# Altium PCB 2.PcbDoc (part 13 of 22) (continued)
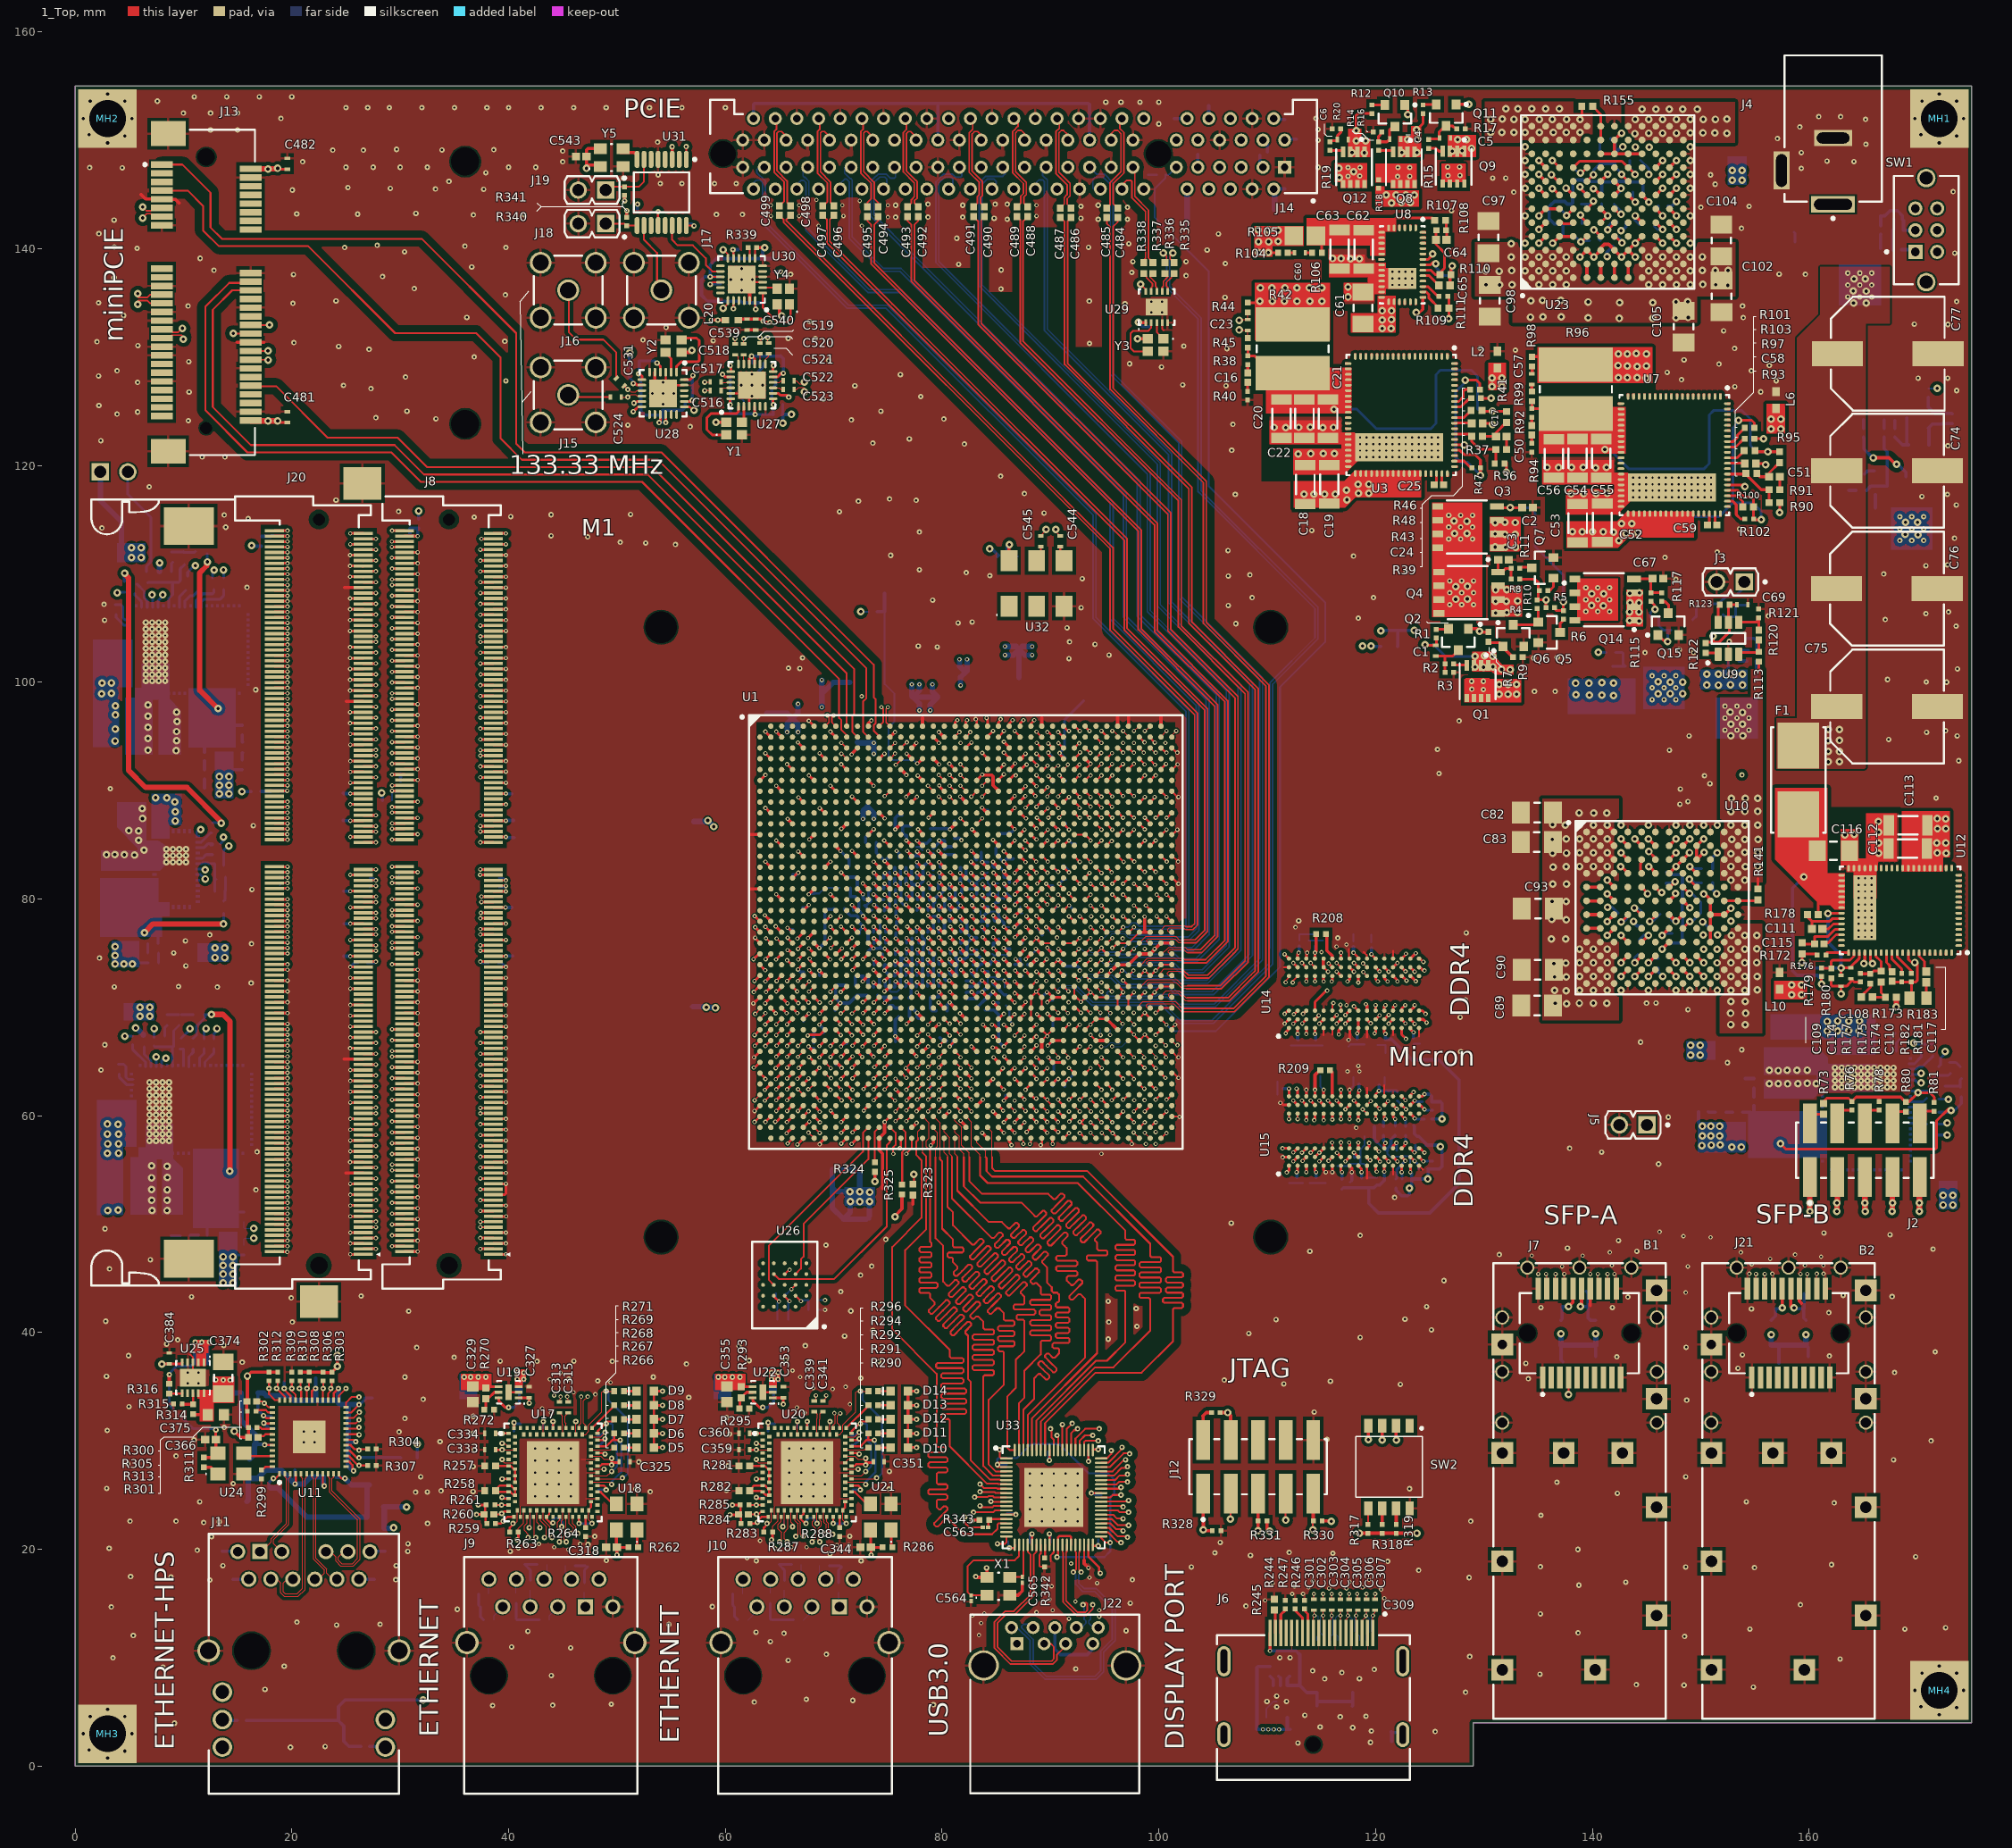
[diagram p0: 1_Top view]
## Nets (pads, with @x,y where several pads share a name; then routed paths per layer and width w, separated by ;. In a path a pad name is that pad's centre, name@x,y a point inside that pad or via, vN(x,y) a via of type N, cw(c..) or ccw(c..) an arc to the next point about the centre after c; other vN are vias at no path point) (continued)
  12_int11_(sign) w0.15: v1(27.751,102.73) 28.371,103.35 29.6,103.35 29.975,102.975 32.1,102.975 32.35,102.725 v1(37.398,102.725)
DDR4_SODIMM_DQ50: J8.228 J20.228 U1.Y3 | length 85
  1_Top w0.25: J20.228@18.4,105.975 v1(19.602,105.975) ; v1(29.25,105.975) J8.228@30.4,105.975 ; v1(64.65,77.475) 64.658,77.475 U1.Y3@65.194,76.939
  7_int6_(sign) w0.15: v1(29.25,105.975) 32.35,105.975 35.1,108.725 37.75,108.725 38.25,109.225 39.9,109.225 40.75,110.075 44.7,110.075 44.85,110.075 45,110.225 45,111.144 45.15,111.294 45.45,111.294 45.6,111.144 45.6,110.075 45.6,109.016 45.75,108.866 46.05,108.866 46.2,109.016 46.2,110.075 46.2,111.144 46.35,111.294 46.65,111.294 46.8,111.144 46.8,110.225 46.95,110.075 48.475,110.075 56.85,110.075 62.25,104.675 62.25,91.05 62.825,90.475 62.825,83.425 63.638,82.612 63.638,79.513 64.65,78.5 v1(64.65,77.475)
  10_int9_(sign) w0.15: v1(19.602,105.975) 21.375,105.975 21.625,106.225 25.975,106.225 26.4,106.65 28.025,106.65 28.7,105.975 v1(29.25,105.975)
DDR4_SODIMM_DQ51: J8.229 J20.229 U1.Y1 | length 82.5
  1_Top w0.25: J20.229@26.6,106.225 26.625,106.2 26.655,106.23 v1(27.751,106.23) ; v1(37.398,106.225) J8.229@38.6,106.225 ; v1(62.75,77.4) 62.75,77.383 U1.Y1@63.194,76.939
  7_int6_(sign) w0.15: v1(37.398,106.225) 40.625,106.225 40.775,106.225 40.925,106.375 40.925,106.493 41.075,106.643 41.375,106.643 41.525,106.493 41.525,106.225 41.525,105.982 41.675,105.832 41.975,105.832 42.125,105.982 42.125,106.225 42.125,106.493 42.275,106.643 42.575,106.643 42.725,106.493 42.725,106.225 42.725,105.982 42.875,105.832 43.175,105.832 43.325,105.982 43.325,106.225 43.325,106.493 43.475,106.643 43.775,106.643 43.925,106.493 43.925,106.225 43.925,105.982 44.075,105.832 44.375,105.832 44.525,105.982 44.525,106.075 44.675,106.225 45.275,106.225 50.675,106.225 52.1,107.65 55.475,107.65 58.4,104.725 58.4,104.5 58.4,104.2 58.4,103.75 58.25,103.6 57.15,103.6 57,103.45 57,103.15 57.15,103 58.4,103 59.365,103 59.515,102.85 59.515,102.55 59.365,102.4 58.4,102.4 57.15,102.4 57,102.25 57,101.95 57.15,101.8 58.4,101.8 59.365,101.8 59.515,101.65 59.515,101.35 59.365,101.2 58.4,101.2 57.15,101.2 57,101.05 57,100.75 57.15,100.6 58.4,100.6 59.365,100.6 59.515,100.45 59.515,100.15 59.365,100 58.55,100 58.4,99.85 58.4,99.4 58.4,99.025 58.4,98.725 58.4,98.125 58.4,97.525 58.4,97.425 58.4,97.1 59.95,95.55 59.95,88.95 60.75,88.15 60.75,82.45 61.574,81.626 61.574,78.576 v1(62.75,77.4)
  12_int11_(sign) w0.15: v1(27.751,106.23) 27.971,106.45 29.475,106.45 29.975,105.95 31.875,105.95 32.15,106.225 v1(37.398,106.225)
DDR4_SODIMM_DQ52: J8.211 J20.211 U1.AC4 | length 86.8
  1_Top w0.25: J20.211@26.6,101.725 26.625,101.7 26.655,101.73 v1(27.751,101.73) ; v1(37.398,101.725) J8.211@38.6,101.725 ; v1(65.7,74.35) 66.111,73.939 U1.AC4@66.194,73.939
  7_int6_(sign) w0.15: v1(37.398,101.725) 40.275,101.725 40.425,101.875 40.425,102.115 40.575,102.265 40.875,102.265 41.025,102.115 41.025,101.27 41.175,101.12 41.475,101.12 41.625,101.27 41.625,102.115 41.775,102.265 42.075,102.265 42.225,102.115 42.225,101.348 42.375,101.198 42.675,101.198 42.825,101.348 42.825,102.115 42.975,102.265 43.275,102.265 43.425,102.115 43.425,101.323 43.575,101.173 43.875,101.173 44.025,101.323 44.025,101.575 44.175,101.725 44.65,101.725 45.255,101.12 45.255,100.908 44.76,100.413 44.76,100.2 44.972,99.988 45.185,99.988 45.786,100.589 46.614,101.418 46.826,101.418 47.038,101.206 47.038,100.993 46.21,100.165 46.104,100.059 46.104,99.847 46.316,99.635 46.528,99.635 46.634,99.741 47.463,100.569 47.675,100.569 47.887,100.357 47.887,100.145 47.058,99.317 47.058,99.143 47.31,98.892 47.483,98.892 48.311,99.721 48.523,99.721 48.735,99.509 48.735,99.296 47.907,98.468 47.907,98.295 48.158,98.044 48.331,98.044 49.16,98.872 49.372,98.872 49.584,98.66 49.584,98.448 48.756,97.619 48.756,97.446 49.007,97.195 49.18,97.195 50.008,98.024 50.22,98.024 50.432,97.811 50.432,97.599 49.604,96.771 49.604,96.598 49.855,96.347 50.028,96.347 50.857,97.175 51.069,97.175 51.281,96.963 51.281,96.751 50.453,95.922 50.453,95.749 50.704,95.498 50.877,95.498 51.705,96.327 51.917,96.327 52.129,96.114 52.129,95.902 51.301,95.074 51.301,94.901 51.552,94.65 51.725,94.65 52.554,95.478 52.766,95.478 52.978,95.266 52.978,95.054 52.15,94.225 52.15,94.052 52.401,93.801 52.574,93.801 54.01,92.365 54.01,91.71 53.875,91.575 53.875,90.96 54.01,90.825 54.01,82.389 56.163,80.236 56.489,80.236 61.816,74.909 65.141,74.909 v1(65.7,74.35)
  12_int11_(sign) w0.15: v1(27.751,101.73) 28.371,102.35 29.405,102.35 29.78,101.975 32,101.975 32.25,101.725 v1(37.398,101.725)
DDR4_SODIMM_DQ53: J8.212 J20.212 U1.AB2 | length 84.6
  1_Top w0.25: J20.212@18.4,101.975 v1(19.602,101.975) ; v1(29.25,101.975) J8.212@30.4,101.975 ; v1(63.725,74.45) 63.725,74.47 U1.AB2@64.194,74.939
  7_int6_(sign) w0.15: v1(29.25,101.975) 30.05,101.175 30.05,100.725 30.775,100 32.15,100 32.45,100.3 32.45,101.35 32.675,101.575 33.15,101.575 33.375,101.35 33.375,100.175 33.55,100 34.15,100 34.3,100.15 34.3,101.4 34.5,101.6 34.975,101.6 35.25,101.325 35.25,100.15 35.4,100 36.575,100 36.8,100.225 37.875,100.225 38.26,99.84 41.885,99.84 42.158,99.567 42.423,99.567 42.83,99.974 43.095,99.974 43.36,99.709 43.36,99.444 42.82,98.905 42.82,98.773 43.219,98.374 43.351,98.374 43.89,98.914 44.156,98.914 44.421,98.649 44.421,98.383 43.881,97.844 43.881,97.712 44.28,97.314 44.411,97.314 44.951,97.853 45.216,97.853 45.481,97.588 45.481,97.323 44.942,96.783 44.942,96.652 45.341,96.253 45.472,96.253 46.012,96.792 46.277,96.792 46.542,96.527 46.542,96.262 46.002,95.723 46.002,95.591 46.401,95.192 46.533,95.192 47.072,95.732 47.338,95.732 47.603,95.467 47.603,95.201 47.063,94.662 47.063,94.53 47.462,94.132 47.593,94.132 48.133,94.671 48.398,94.671 48.663,94.406 48.663,94.141 48.124,93.601 48.124,93.47 48.523,93.071 48.654,93.071 49.194,93.61 49.459,93.61 49.724,93.345 49.724,93.08 49.184,92.541 49.184,92.409 49.583,92.01 49.715,92.01 50.254,92.55 50.52,92.55 50.785,92.285 50.785,92.02 50.378,91.612 50.378,91.347 52.99,88.735 52.99,79.21 55.149,77.051 58.201,77.051 61.311,73.94 63.215,73.94 v1(63.725,74.45)
  10_int9_(sign) w0.15: v1(19.602,101.975) 21.725,101.975 22,101.7 25.725,101.7 26.275,102.25 28.5,102.25 28.775,101.975 v1(29.25,101.975)
DDR4_SODIMM_DQ54: J8.224 J20.224 U1.Y2 | length 84.9
  1_Top w0.25: J20.224@18.4,104.975 v1(19.602,104.975) ; v1(29.25,104.975) J8.224@30.4,104.975 ; v1(63.694,77.439) U1.Y2@64.194,76.939
  7_int6_(sign) w0.15: v1(29.25,104.975) 32.975,104.975 35.725,107.725 37.925,107.725 38.375,108.175 40.55,108.175 40.7,108.175 40.85,108.325 40.85,109.259 41,109.409 41.3,109.409 41.45,109.259 41.45,108.175 41.45,107.991 41.6,107.841 41.9,107.841 42.05,107.991 42.05,108.175 42.05,109.259 42.2,109.409 42.5,109.409 42.65,109.259 42.65,108.175 42.65,107.991 42.8,107.841 43.1,107.841 43.25,107.991 43.25,108.175 43.25,109.259 43.4,109.409 43.7,109.409 43.85,109.259 43.85,108.325 44,108.175 45.675,108.175 49.65,108.175 50.675,109.2 56.825,109.2 61.5,104.525 61.5,90.225 61.975,89.75 61.975,83.225 62.713,82.487 62.713,79.613 63.15,79.175 63.15,77.983 v1(63.694,77.439)
  10_int9_(sign) w0.15: v1(19.602,104.975) 21.975,104.975 22.225,105.225 25.975,105.225 26.45,105.7 28.225,105.7 28.95,104.975 v1(29.25,104.975)
DDR4_SODIMM_DQ55: J8.225 J20.225 U1.AA4 | length 87.3
  1_Top w0.25: J20.225@26.6,105.225 26.625,105.2 26.655,105.23 v1(27.751,105.23) ; v1(37.398,105.225) J8.225@38.6,105.225 ; v1(65.75,76.425) 65.75,76.383 U1.AA4@66.194,75.939
  7_int6_(sign) w0.15: v1(37.398,105.225) 37.473,105.3 48.925,105.3 49.505,104.72 49.505,104.508 49.421,104.423 49.421,104.211 49.633,103.999 49.845,103.999 50.036,104.189 50.845,104.998 51.057,104.998 51.269,104.786 51.269,104.574 50.46,103.765 50.271,103.576 50.271,103.364 50.483,103.152 50.695,103.152 50.884,103.341 51.693,104.15 51.905,104.15 52.117,103.938 52.117,103.725 51.308,102.917 51.12,102.728 51.12,102.516 51.332,102.304 51.544,102.304 52.542,103.301 52.754,103.301 52.966,103.089 52.966,102.877 52.157,102.068 51.968,101.879 51.968,101.667 52.18,101.455 52.393,101.455 52.581,101.644 53.39,102.453 53.602,102.453 53.814,102.241 53.814,102.028 53.005,101.22 52.817,101.031 52.817,100.819 53.029,100.607 53.241,100.607 54.239,101.604 54.451,101.604 54.663,101.392 54.663,101.18 53.854,100.371 53.665,100.182 53.665,99.97 53.877,99.758 54.09,99.758 54.278,99.947 55.087,100.756 55.299,100.756 55.511,100.543 55.511,100.331 54.703,99.522 54.514,99.334 54.514,99.122 54.726,98.909 54.938,98.909 55.127,99.098 55.936,99.907 56.148,99.907 56.36,99.695 56.36,99.483 55.551,98.674 55.362,98.485 55.362,98.273 55.574,98.061 55.787,98.061 55.975,98.25 56.784,99.059 56.996,99.059 57.209,98.846 57.209,98.634 56.4,97.825 56.211,97.637 56.211,97.425 56.423,97.212 56.635,97.212 56.718,97.295 56.93,97.295 59.225,95 59.225,88.375 60.15,87.45 60.15,81.675 60.95,80.875 60.95,78.35 62.425,76.875 65.15,76.875 65.6,76.425 v1(65.75,76.425)
  12_int11_(sign) w0.15: v1(27.751,105.23) 27.996,105.475 29.8,105.475 30.325,104.95 31.9,104.95 32.175,105.225 v1(37.398,105.225)
DDR4_SODIMM_DQ56: J8.237 J20.237 U1.Y10 | length 89.3
  1_Top w0.25: J20.237@26.6,108.225 v1(27.75,108.225) ; v1(37.398,108.225) J8.237@38.6,108.225 ; v1(71.694,77.439) U1.Y10@72.194,76.939
  5_int4_(sign) w0.15: v1(37.398,108.225) 50.336,108.225 51.421,109.31 56.232,109.31 56.242,109.3 56.6,109.3 56.713,109.188 56.925,108.975 57.276,108.624 57.276,108.478 57.276,108.266 57.488,108.054 57.7,108.054 57.773,108.127 58.226,108.58 58.438,108.58 58.65,108.368 58.65,108.155 58.197,107.703 58.143,107.648 58.143,107.436 58.355,107.224 58.567,107.224 58.622,107.278 59.075,107.731 59.287,107.731 59.499,107.519 59.499,107.307 59.152,106.96 59.152,106.748 60.187,105.713 61.05,104.85 61.05,104.45 61.05,103.792 61.2,103.642 62.075,103.642 62.225,103.492 62.225,103.192 62.075,103.042 61.05,103.042 60.775,103.042 60.625,102.892 60.625,102.592 60.775,102.442 61.05,102.442 62.075,102.442 62.225,102.292 62.225,101.992 62.075,101.842 61.05,101.842 60.775,101.842 60.625,101.692 60.625,101.392 60.775,101.242 61.05,101.242 62.075,101.242 62.225,101.092 62.225,100.792 62.075,100.642 61.05,100.642 60.775,100.642 60.625,100.492 60.625,100.192 60.775,100.042 61.05,100.042 62.075,100.042 62.225,99.892 62.225,99.592 62.075,99.442 61.05,99.442 60.9,99.292 60.9,98.992 61.05,98.842 62.075,98.842 62.225,98.692 62.225,98.392 62.075,98.242 61.05,98.242 61.039,98.242 60.889,98.092 60.889,97.792 61.039,97.642 61.05,97.631 61.05,97.342 61.05,97 62.1,95.95 62.1,90.475 62.575,90 65.225,90 70.325,84.9 70.73,84.9 70.95,84.68 70.95,84.63 72.079,83.501 72.079,77.824 v1(71.694,77.439)
  12_int11_(sign) w0.15: v1(27.75,108.225) 28.475,108.225 28.7,108.45 29.6,108.45 30.1,107.95 31.95,107.95 32.225,108.225 v1(37.398,108.225)
DDR4_SODIMM_DQ57: J8.236 J20.236 U1.AB9 | length 88.9
  1_Top w0.25: J20.236@18.4,107.975 v1(19.602,107.975) ; v1(29.25,107.975) J8.236@30.4,107.975 ; v1(70.694,74.439) U1.AB9@71.194,74.939
  5_int4_(sign) w0.15: v1(29.25,107.975) 32,107.975 36.75,103.225 37.675,103.225 38.175,102.725 40.475,102.725 40.625,102.875 40.625,103.35 40.775,103.5 41.075,103.5 41.225,103.35 41.225,102.875 41.375,102.725 41.675,102.725 41.825,102.875 41.825,103.35 41.975,103.5 42.275,103.5 42.425,103.35 42.425,102.875 42.575,102.725 42.875,102.725 43.025,102.875 43.025,103.35 43.175,103.5 43.475,103.5 43.625,103.35 43.625,102.875 43.775,102.725 44.075,102.725 44.225,102.875 44.225,103.35 44.375,103.5 44.675,103.5 44.825,103.35 44.825,102.875 44.975,102.725 45.275,102.725 45.425,102.875 45.425,103.35 45.575,103.5 45.875,103.5 46.025,103.35 46.025,102.875 46.175,102.725 46.475,102.725 46.625,102.875 46.625,103.35 46.775,103.5 47.075,103.5 47.225,103.35 47.225,102.285 47.375,102.135 47.675,102.135 47.825,102.285 47.825,103.35 47.975,103.5 48.275,103.5 48.425,103.35 48.425,102.187 48.575,102.037 48.875,102.037 49.025,102.187 49.025,102.575 49.175,102.725 49.698,102.725 54.05,98.373 54.05,97.85 53.65,97.45 53.65,97 53.906,96.744 54.118,96.744 54.771,97.396 54.983,97.396 55.195,97.184 55.195,96.972 54.542,96.32 54.542,96.108 57.1,93.55 57.1,86.6 57.65,86.05 60.025,86.05 61.15,84.925 62.75,84.925 67.175,80.5 67.175,78.675 68.625,77.225 68.625,76.03 68.805,75.85 68.83,75.85 69.1,75.58 69.1,75.15 69.275,74.975 70.158,74.975 v1(70.694,74.439)
  10_int9_(sign) w0.15: v1(19.602,107.975) 20.875,107.975 21.575,108.675 28.225,108.675 28.925,107.975 v1(29.25,107.975)
DDR4_SODIMM_DQ58: J8.249 J20.249 U1.AB11 | length 91.5
  1_Top w0.25: J20.249@26.6,111.225 26.625,111.2 26.655,111.23 v1(27.751,111.23) ; v1(37.398,111.225) J8.249@38.6,111.225 ; v1(72.694,74.439) U1.AB11@73.194,74.939
  5_int4_(sign) w0.15: v1(37.398,111.225) 40.475,111.225 40.625,111.225 40.775,111.375 40.775,112.384 40.925,112.534 41.225,112.534 41.375,112.384 41.375,111.225 41.375,110.976 41.525,110.826 41.825,110.826 41.975,110.976 41.975,111.225 41.975,112.384 42.125,112.534 42.425,112.534 42.575,112.384 42.575,111.225 42.575,110.976 42.725,110.826 43.025,110.826 43.175,110.976 43.175,111.225 43.175,112.384 43.325,112.534 43.625,112.534 43.775,112.384 43.775,111.225 43.775,110.976 43.925,110.826 44.225,110.826 44.375,110.976 44.375,111.225 44.375,112.384 44.525,112.534 44.825,112.534 44.975,112.384 44.975,111.225 44.975,110.976 45.125,110.826 45.425,110.826 45.575,110.976 45.575,111.075 45.725,111.225 47.55,111.225 58.375,111.225 65.175,104.425 65.175,93.95 67.34,91.785 67.325,91.77 67.325,91.2 67.725,90.8 68.325,90.8 75.15,83.975 75.15,77.365 74.56,76.775 74.545,76.775 74.15,76.38 74.15,76.295 73.855,76 73.695,76 72.694,74.999 v1(72.694,74.439)
  12_int11_(sign) w0.15: v1(27.751,111.23) 28.396,111.875 29.6,111.875 30.025,111.45 31.975,111.45 32.2,111.225 v1(37.398,111.225)
DDR4_SODIMM_DQ59: J8.250 J20.250 U1.W8 | length 90.9
  1_Top w0.25: J20.250@18.4,111.475 v1(19.602,111.475) ; v1(29.225,111.475) J8.250@30.4,111.475 ; U1.W8@70.194,77.939 v1(70.655,78.4)
  5_int4_(sign) w0.15: v1(29.225,111.475) 29.325,111.375 32.4,111.375 37.025,106.75 37.775,106.75 38.3,106.225 50.625,106.225 52.5,108.1 56,108.1 58.1,106 58.1,105.725 58.1,105.425 58.1,104.975 57.95,104.825 57.479,104.825 57.329,104.675 57.329,104.375 57.479,104.225 58.1,104.225 59.231,104.225 59.381,104.075 59.381,103.775 59.231,103.625 58.1,103.625 57.479,103.625 57.329,103.475 57.329,103.175 57.479,103.025 58.1,103.025 59.231,103.025 59.381,102.875 59.381,102.575 59.231,102.425 58.1,102.425 57.479,102.425 57.329,102.275 57.329,101.975 57.479,101.825 58.1,101.825 59.231,101.825 59.381,101.675 59.381,101.375 59.231,101.225 58.25,101.225 58.1,101.075 58.1,100.625 58.1,98 60.85,95.25 60.85,89.45 62.425,87.875 64.725,87.875 70.2,82.4 70.2,78.946 70.655,78.491 v1(70.655,78.4)
  10_int9_(sign) w0.15: v1(19.602,111.475) 21,111.475 21.2,111.275 25.85,111.275 26.275,111.7 28.475,111.7 28.7,111.475 v1(29.225,111.475)
DDR4_SODIMM_DQ60: J8.232 J20.232 U1.AB7 | length 86.2
  1_Top w0.25: J20.232@18.4,106.975 v1(19.602,106.975) ; v1(29.25,106.975) J8.232@30.4,106.975 ; U1.AB7@69.194,74.939 69.177,74.923 69.636,74.464 v1(69.675,74.425)
  5_int4_(sign) w0.15: v1(29.25,106.975) 31.725,106.975 36.5,102.2 37.875,102.2 38.45,101.625 40.625,101.625 40.775,101.775 40.775,102.065 40.925,102.215 41.225,102.215 41.375,102.065 41.375,101.775 41.525,101.625 41.825,101.625 41.975,101.775 41.975,102.065 42.125,102.215 42.425,102.215 42.575,102.065 42.575,101.775 42.725,101.625 43.025,101.625 43.175,101.775 43.175,102.065 43.325,102.215 43.625,102.215 43.775,102.065 43.775,101.775 43.925,101.625 44.225,101.625 44.375,101.775 44.375,102.065 44.525,102.215 44.825,102.215 44.975,102.065 44.975,101.775 45.125,101.625 45.425,101.625 45.575,101.775 45.575,102.065 45.725,102.215 46.025,102.215 46.175,102.065 46.175,101.775 46.325,101.625 48.275,101.625 49.305,100.595 49.517,100.595 50.206,101.284 50.418,101.284 50.63,101.072 50.63,100.86 49.941,100.171 49.941,99.959 50.153,99.747 50.365,99.747 51.054,100.436 51.266,100.436 51.478,100.224 51.478,100.011 50.79,99.323 50.79,99.11 51.002,98.898 51.214,98.898 51.903,99.587 52.115,99.587 52.327,99.375 52.327,99.163 51.638,98.474 51.638,98.262 51.85,98.05 52.062,98.05 52.751,98.739 52.963,98.739 53.175,98.527 53.175,98.314 52.487,97.626 52.487,97.413 56.475,93.425 56.475,85.85 57.55,84.775 60.125,84.775 60.75,84.15 62.125,84.15 66.275,80 66.275,78.825 68.275,76.825 68.275,75.32 69.17,74.425 v1(69.675,74.425)
  10_int9_(sign) w0.15: v1(19.602,106.975) 21.5,106.975 21.775,107.25 25.875,107.25 26.3,107.675 28.25,107.675 28.95,106.975 v1(29.25,106.975)
DDR4_SODIMM_DQ61: J8.233 J20.233 U1.AA9 | length 89.3
  1_Top w0.25: J20.233@26.6,107.225 26.625,107.2 26.655,107.23 v1(27.751,107.23) ; v1(37.398,107.225) J8.233@38.6,107.225 ; U1.AA9@71.194,75.939 v1(71.68,76.425)
  5_int4_(sign) w0.15: v1(37.398,107.225) 40.925,107.225 41.075,107.225 41.225,107.375 41.225,107.565 41.375,107.715 41.675,107.715 41.825,107.565 41.825,107.225 41.825,106.885 41.975,106.735 42.275,106.735 42.425,106.885 42.425,107.225 42.425,107.565 42.575,107.715 42.875,107.715 43.025,107.565 43.025,107.225 43.025,106.885 43.175,106.735 43.475,106.735 43.625,106.885 43.625,107.225 43.625,107.565 43.775,107.715 44.075,107.715 44.225,107.565 44.225,107.225 44.225,106.885 44.375,106.735 44.675,106.735 44.825,106.885 44.825,107.225 44.825,107.565 44.975,107.715 45.275,107.715 45.425,107.565 45.425,107.225 45.425,106.885 45.575,106.735 45.875,106.735 46.025,106.885 46.025,107.225 46.025,107.565 46.175,107.715 46.475,107.715 46.625,107.565 46.625,107.225 46.625,106.885 46.775,106.735 47.075,106.735 47.225,106.885 47.225,107.225 47.225,107.565 47.375,107.715 47.675,107.715 47.825,107.565 47.825,107.225 47.825,106.885 47.975,106.735 48.275,106.735 48.425,106.885 48.425,107.225 48.425,107.565 48.575,107.715 48.875,107.715 49.025,107.565 49.025,107.225 49.025,106.885 49.175,106.735 49.475,106.735 49.625,106.885 49.625,107.075 49.775,107.225 50.225,107.225 50.325,107.225 50.388,107.287 51.815,108.715 53.736,108.715 53.821,108.8 56.021,108.8 60.075,104.746 60.075,100.6 60.075,100.5 59.925,100.35 58.986,100.35 58.836,100.2 58.836,99.9 58.986,99.75 60.075,99.75 60.229,99.75 60.379,99.6 60.379,99.3 60.229,99.15 60.075,99.15 58.986,99.15 58.836,99 58.836,98.7 58.986,98.55 60.075,98.55 60.229,98.55 60.379,98.4 60.379,98.1 60.229,97.95 60.225,97.95 60.075,97.8 60.075,97.35 60.075,97.05 60.075,96.95 61.4,95.625 61.4,90.075 62.5,88.975 65.075,88.975 71.175,82.875 71.175,76.65 71.4,76.425 v1(71.68,76.425)
  12_int11_(sign) w0.15: v1(27.751,107.23) 27.996,107.475 29.425,107.475 29.95,106.95 31.8,106.95 32.075,107.225 v1(37.398,107.225)
DDR4_SODIMM_DQ62: J8.245 J20.245 U1.AB10 | length 88.5
  1_Top w0.25: J20.245@26.6,110.225 26.605,110.23 v1(27.751,110.23) ; v1(37.398,110.225) J8.245@38.6,110.225 ; v1(71.694,74.439) U1.AB10@72.194,74.939
  5_int4_(sign) w0.15: v1(37.398,110.225) 50.425,110.225 50.9,110.7 58,110.7 64.2,104.5 64.2,104.225 64.2,104.075 64.35,103.925 64.515,103.925 64.665,103.775 64.665,103.475 64.515,103.325 64.2,103.325 63.435,103.325 63.285,103.175 63.285,102.875 63.435,102.725 64.2,102.725 64.515,102.725 64.665,102.575 64.665,102.275 64.515,102.125 64.2,102.125 63.435,102.125 63.285,101.975 63.285,101.675 63.435,101.525 64.2,101.525 64.515,101.525 64.665,101.375 64.665,101.075 64.515,100.925 64.2,100.925 63.435,100.925 63.285,100.775 63.285,100.475 63.435,100.325 64.2,100.325 64.515,100.325 64.665,100.175 64.665,99.875 64.515,99.725 64.2,99.725 63.435,99.725 63.285,99.575 63.285,99.275 63.435,99.125 64.05,99.125 64.2,98.975 64.2,98.325 64.2,92.65 64.9,91.95 66.193,91.95 74.2,83.943 74.2,76.945 74.008,76.754 73.548,76.754 73.329,76.534 73.329,76.074 v1(71.694,74.439)
  12_int11_(sign) w0.15: v1(27.751,110.23) 28.396,110.875 29.725,110.875 30.15,110.45 31.925,110.45 32.15,110.225 v1(37.398,110.225)
DDR4_SODIMM_DQ63: J8.246 J20.246 U1.Y8 | length 90.9
  1_Top w0.25: J20.246@18.4,110.475 v1(19.602,110.475) ; v1(29.25,110.475) J8.246@30.4,110.475 ; v1(69.694,77.439) U1.Y8@70.194,76.939
  5_int4_(sign) w0.15: v1(29.25,110.475) 32.175,110.475 36.9,105.75 37.625,105.75 38.05,105.325 40.3,105.325 40.45,105.325 40.6,105.475 40.6,105.565 40.75,105.715 41.05,105.715 41.2,105.565 41.2,105.325 41.2,104.89 41.35,104.74 41.65,104.74 41.8,104.89 41.8,105.325 41.8,105.565 41.95,105.715 42.25,105.715 42.4,105.565 42.4,105.325 42.4,104.89 42.55,104.74 42.85,104.74 43,104.89 43,105.325 43,105.565 43.15,105.715 43.45,105.715 43.6,105.565 43.6,105.325 43.6,104.89 43.75,104.74 44.05,104.74 44.2,104.89 44.2,105.325 44.2,105.565 44.35,105.715 44.65,105.715 44.8,105.565 44.8,105.325 44.8,104.89 44.95,104.74 45.25,104.74 45.4,104.89 45.4,105.325 45.4,105.565 45.55,105.715 45.85,105.715 46,105.565 46,105.325 46,104.89 46.15,104.74 46.45,104.74 46.6,104.89 46.6,105.325 46.6,105.565 46.75,105.715 47.05,105.715 47.2,105.565 47.2,105.325 47.2,104.89 47.35,104.74 47.65,104.74 47.8,104.89 47.8,105.325 47.8,105.565 47.95,105.715 48.25,105.715 48.4,105.565 48.4,105.325 48.4,104.89 48.55,104.74 48.85,104.74 49,104.89 49,105.175 49.15,105.325 50.925,105.325 51.137,105.537 51.4,105.8 53.1,107.5 55.5,107.5 56.7,106.3 56.7,101.6 56.325,101.225 56.325,100.875 57.5,99.7 57.5,97.775 60.175,95.1 60.175,89.3 62.475,87 64.875,87 69.184,82.691 69.184,78.316 69.694,77.806 v1(69.694,77.439)
  10_int9_(sign) w0.15: v1(19.602,110.475) 20.1,110.475 20.225,110.35 25.825,110.35 26.15,110.675 28.625,110.675 28.825,110.475 v1(29.25,110.475)
DDR4_SODIMM_DQS0_N: J8.11 J20.11 U1.AM7 | length 87.8
  1_Top w0.15: J20.11@26.6,49.725 v1(27.75,49.725) ; v1(37.398,49.725) J8.11@38.6,49.725 ; U1.AM7@69.194,64.939 69.194,64.931 v1(69.725,64.4)
  7_int6_(sign) w0.13: v1(37.398,49.725) 37.525,49.725 37.675,49.875 37.951,49.875 39.216,48.61 40.126,48.61 40.885,47.851 40.885,47.601 41.251,47.235 41.64,47.235 41.9,46.975 41.9,46.725 41.725,46.55 41.136,46.55 40.885,46.299 40.885,45.626 41.176,45.335 41.64,45.335 41.81,45.165 41.81,44.799 41.611,44.6 41.086,44.6 40.885,44.399 40.885,40.876 41.151,40.61 41.701,40.61 41.835,40.61 42.1,40.875 42.1,42.1 42.235,42.235 42.651,42.235 42.785,42.101 42.785,40.851 43.026,40.61 49.449,40.61 49.765,40.926 49.765,42.09 49.875,42.2 50.225,42.2 50.325,42.1 50.325,40.85 50.565,40.61 51.224,40.61 51.465,40.851 51.465,42.14 51.56,42.235 52.05,42.235 52.125,42.16 52.125,40.836 52.351,40.61 52.974,40.61 53.265,40.901 53.265,42.165 53.335,42.235 53.975,42.235 54.125,42.085 54.125,40.811 54.326,40.61 55.074,40.61 55.39,40.926 55.39,42.05 55.515,42.175 56.075,42.175 56.187,42.063 56.187,40.949 56.451,40.685 57.324,40.685 57.55,40.911 57.55,43.225 65.94,51.615 65.94,55.176 68.584,57.82 69.159,57.82 70.265,58.926 70.265,59.776 70.54,60.051 70.54,60.899 70.315,61.125 70.315,62.269 70.31,62.274 70.31,62.576 70.315,62.581 70.315,63.244 70.31,63.249 70.31,63.551 70.315,63.556 70.315,63.576 70.34,63.602 70.34,63.867 70.149,64.057 69.9,64.057 69.725,64.233 v1(69.725,64.4)
  12_int11_(sign) w0.13: v1(27.75,49.725) 27.875,49.85 28.3,49.85 28.81,49.34 30.156,49.34 30.656,49.84 37.283,49.84 v1(37.398,49.725)
DDR4_SODIMM_DQS0_P: J8.13 J20.13 U1.AN7 | length 87.6
  1_Top w0.15: J20.13@26.6,50.225 26.65,50.175 26.727,50.252 v1(27.751,50.252) ; v1(37.398,50.225) J8.13@38.6,50.225 ; U1.AN7@69.194,63.939 69.194,63.944 69.663,63.475 v1(69.75,63.475)
  7_int6_(sign) w0.13: v1(37.398,50.225) 37.55,50.225 37.66,50.115 38.05,50.115 39.315,48.85 40.225,48.85 41.125,47.95 41.125,47.7 41.35,47.475 41.739,47.475 42.14,47.074 42.14,46.626 41.824,46.31 41.235,46.31 41.125,46.2 41.125,45.725 41.275,45.575 41.739,45.575 42.05,45.264 42.05,44.7 41.7,44.35 41.176,44.35 41.125,44.299 41.125,40.975 41.25,40.85 41.736,40.85 41.86,40.974 41.86,42.199 42.136,42.475 42.75,42.475 43.025,42.2 43.025,40.95 43.125,40.85 49.35,40.85 49.525,41.025 49.525,42.189 49.776,42.44 50.324,42.44 50.565,42.199 50.565,40.949 50.664,40.85 51.125,40.85 51.225,40.95 51.225,42.239 51.461,42.475 52.149,42.475 52.365,42.259 52.365,40.935 52.45,40.85 52.875,40.85 53.025,41 53.025,42.264 53.236,42.475 54.074,42.475 54.365,42.184 54.365,40.91 54.425,40.85 54.975,40.85 55.15,41.025 55.15,42.149 55.416,42.415 56.174,42.415 56.427,42.162 56.427,41.048 56.55,40.925 57.225,40.925 57.31,41.01 57.31,43.324 65.7,51.714 65.7,51.95 65.475,52.175 65.475,52.525 65.7,52.75 65.7,53.25 65.475,53.475 65.475,53.725 65.7,53.95 65.7,54.4 65.45,54.65 65.45,54.85 65.7,55.1 65.7,55.275 68.485,58.06 69.06,58.06 70.025,59.025 70.025,59.875 70.3,60.15 70.3,60.8 70.075,61.025 70.075,62.17 70.07,62.174 70.07,62.676 70.075,62.68 70.075,63.145 70.07,63.149 70.07,63.651 70.075,63.655 70.075,63.676 70.1,63.701 70.1,63.768 70.05,63.818 69.892,63.818 69.75,63.675 v1(69.75,63.475)
  12_int11_(sign) w0.13: v1(27.751,50.252) 27.904,50.1 27.905,50.1 27.915,50.09 28.399,50.09 28.909,49.58 30.056,49.58 30.586,50.11 37.283,50.11 v1(37.398,50.225)
DDR4_SODIMM_DQS1_N: J8.32 J20.32 U1.AV6 | length 81.6
  1_Top w0.15: J20.32@18.4,54.975 v1(19.602,54.975) ; v1(29.25,54.975) J8.32@30.4,54.975 ; U1.AV6@68.194,58.939 68.7,58.433 v1(68.7,58.425)
  5_int4_(sign) w0.13: v1(29.25,54.975) 29.385,55.11 32.235,55.11 32.525,55.4 32.525,56 32.7,56.175 33.16,56.175 33.335,56 33.335,53.74 33.615,53.46 34.284,53.46 34.575,53.751 34.575,56.2 34.775,56.4 35.15,56.4 35.285,56.265 35.285,54.926 35.285,53.676 35.551,53.41 36.369,53.41 36.549,53.59 36.604,53.59 36.682,53.668 36.682,57.382 36.91,57.61 37.766,57.61 39.276,56.1 40.235,56.1 41.25,55.085 41.25,53.1 42.51,51.84 42.51,50.151 42.886,49.775 43.674,49.775 43.95,50.051 43.95,51.05 44.025,51.125 44.6,51.125 44.76,50.965 44.76,50.051 45.036,49.775 45.689,49.775 45.915,50.001 45.915,50.951 45.999,51.035 46.326,51.035 46.435,50.926 46.435,50.001 46.661,49.775 49.749,49.775 51.425,49.775 53.072,51.422 56.987,51.422 64.325,58.76 64.766,58.76 65.309,59.303 65.309,59.533 65.31,59.534 65.31,59.576 65.558,59.824 65.949,59.824 ; 65.949,59.825 66.439,59.825 ; 66.439,59.824 66.501,59.824 66.685,59.64 66.685,58.301 67.376,57.61 68.124,57.61 68.29,57.776 68.29,57.966 68.308,57.984 68.308,58.083 68.649,58.425 v1(68.7,58.425)
  12_int11_(sign) w0.13: v1(19.602,54.975) 19.75,55.123 19.75,55.125 25.119,55.125 25.124,55.12 26.445,55.12 26.915,55.59 28.11,55.59 28.581,55.119 29.106,55.119 v1(29.25,54.975)
DDR4_SODIMM_DQS1_P: J8.34 J20.34 U1.AW6 | length 82.2
  1_Top w0.15: J20.34@18.4,55.475 v1(19.602,55.475) ; v1(29.251,55.503) 30.372,55.503 J8.34@30.4,55.475 ; v1(67.675,58.45) 67.683,58.45 U1.AW6@68.194,57.939
  5_int4_(sign) w0.13: v1(29.251,55.503) 29.251,55.474 29.375,55.35 32.136,55.35 32.285,55.499 32.285,56.099 32.601,56.415 33.259,56.415 33.575,56.099 33.575,53.839 33.714,53.7 34.185,53.7 34.335,53.85 34.335,56.299 34.676,56.64 35.249,56.64 35.525,56.364 35.525,53.775 35.65,53.65 36.269,53.65 36.442,53.823 36.442,57.482 36.811,57.85 37.865,57.85 39.375,56.34 40.334,56.34 41.49,55.184 41.49,53.199 42.75,51.939 42.75,50.25 42.985,50.015 43.575,50.015 43.71,50.15 43.71,51.149 43.926,51.365 44.699,51.365 45,51.064 45,50.15 45.135,50.015 45.59,50.015 45.675,50.1 45.675,51.05 45.9,51.275 46.425,51.275 46.675,51.025 46.675,50.1 46.76,50.015 50.456,50.015 ; 49.65,50.015 50.456,50.015 ; 65.849,60.064 65.459,60.064 65.07,59.676 65.07,59.634 65.069,59.633 65.069,59.403 64.666,59 64.226,59 56.888,51.662 52.973,51.662 51.326,50.015 50.456,50.015 ; 65.85,60.065 66.538,60.065 ; 66.539,60.064 66.6,60.064 66.925,59.739 66.925,58.4 67.475,57.85 68.025,57.85 68.05,57.875 68.05,58.225 67.75,58.525 v1(67.675,58.45)
  12_int11_(sign) w0.13: v1(19.602,55.475) 19.712,55.365 25.219,55.365 25.224,55.36 26.346,55.36 26.816,55.83 28.209,55.83 28.681,55.359 29.108,55.359 v1(29.251,55.503)